# KiCad board protoboard-6x4-breakout.kicad_pcb (continued)
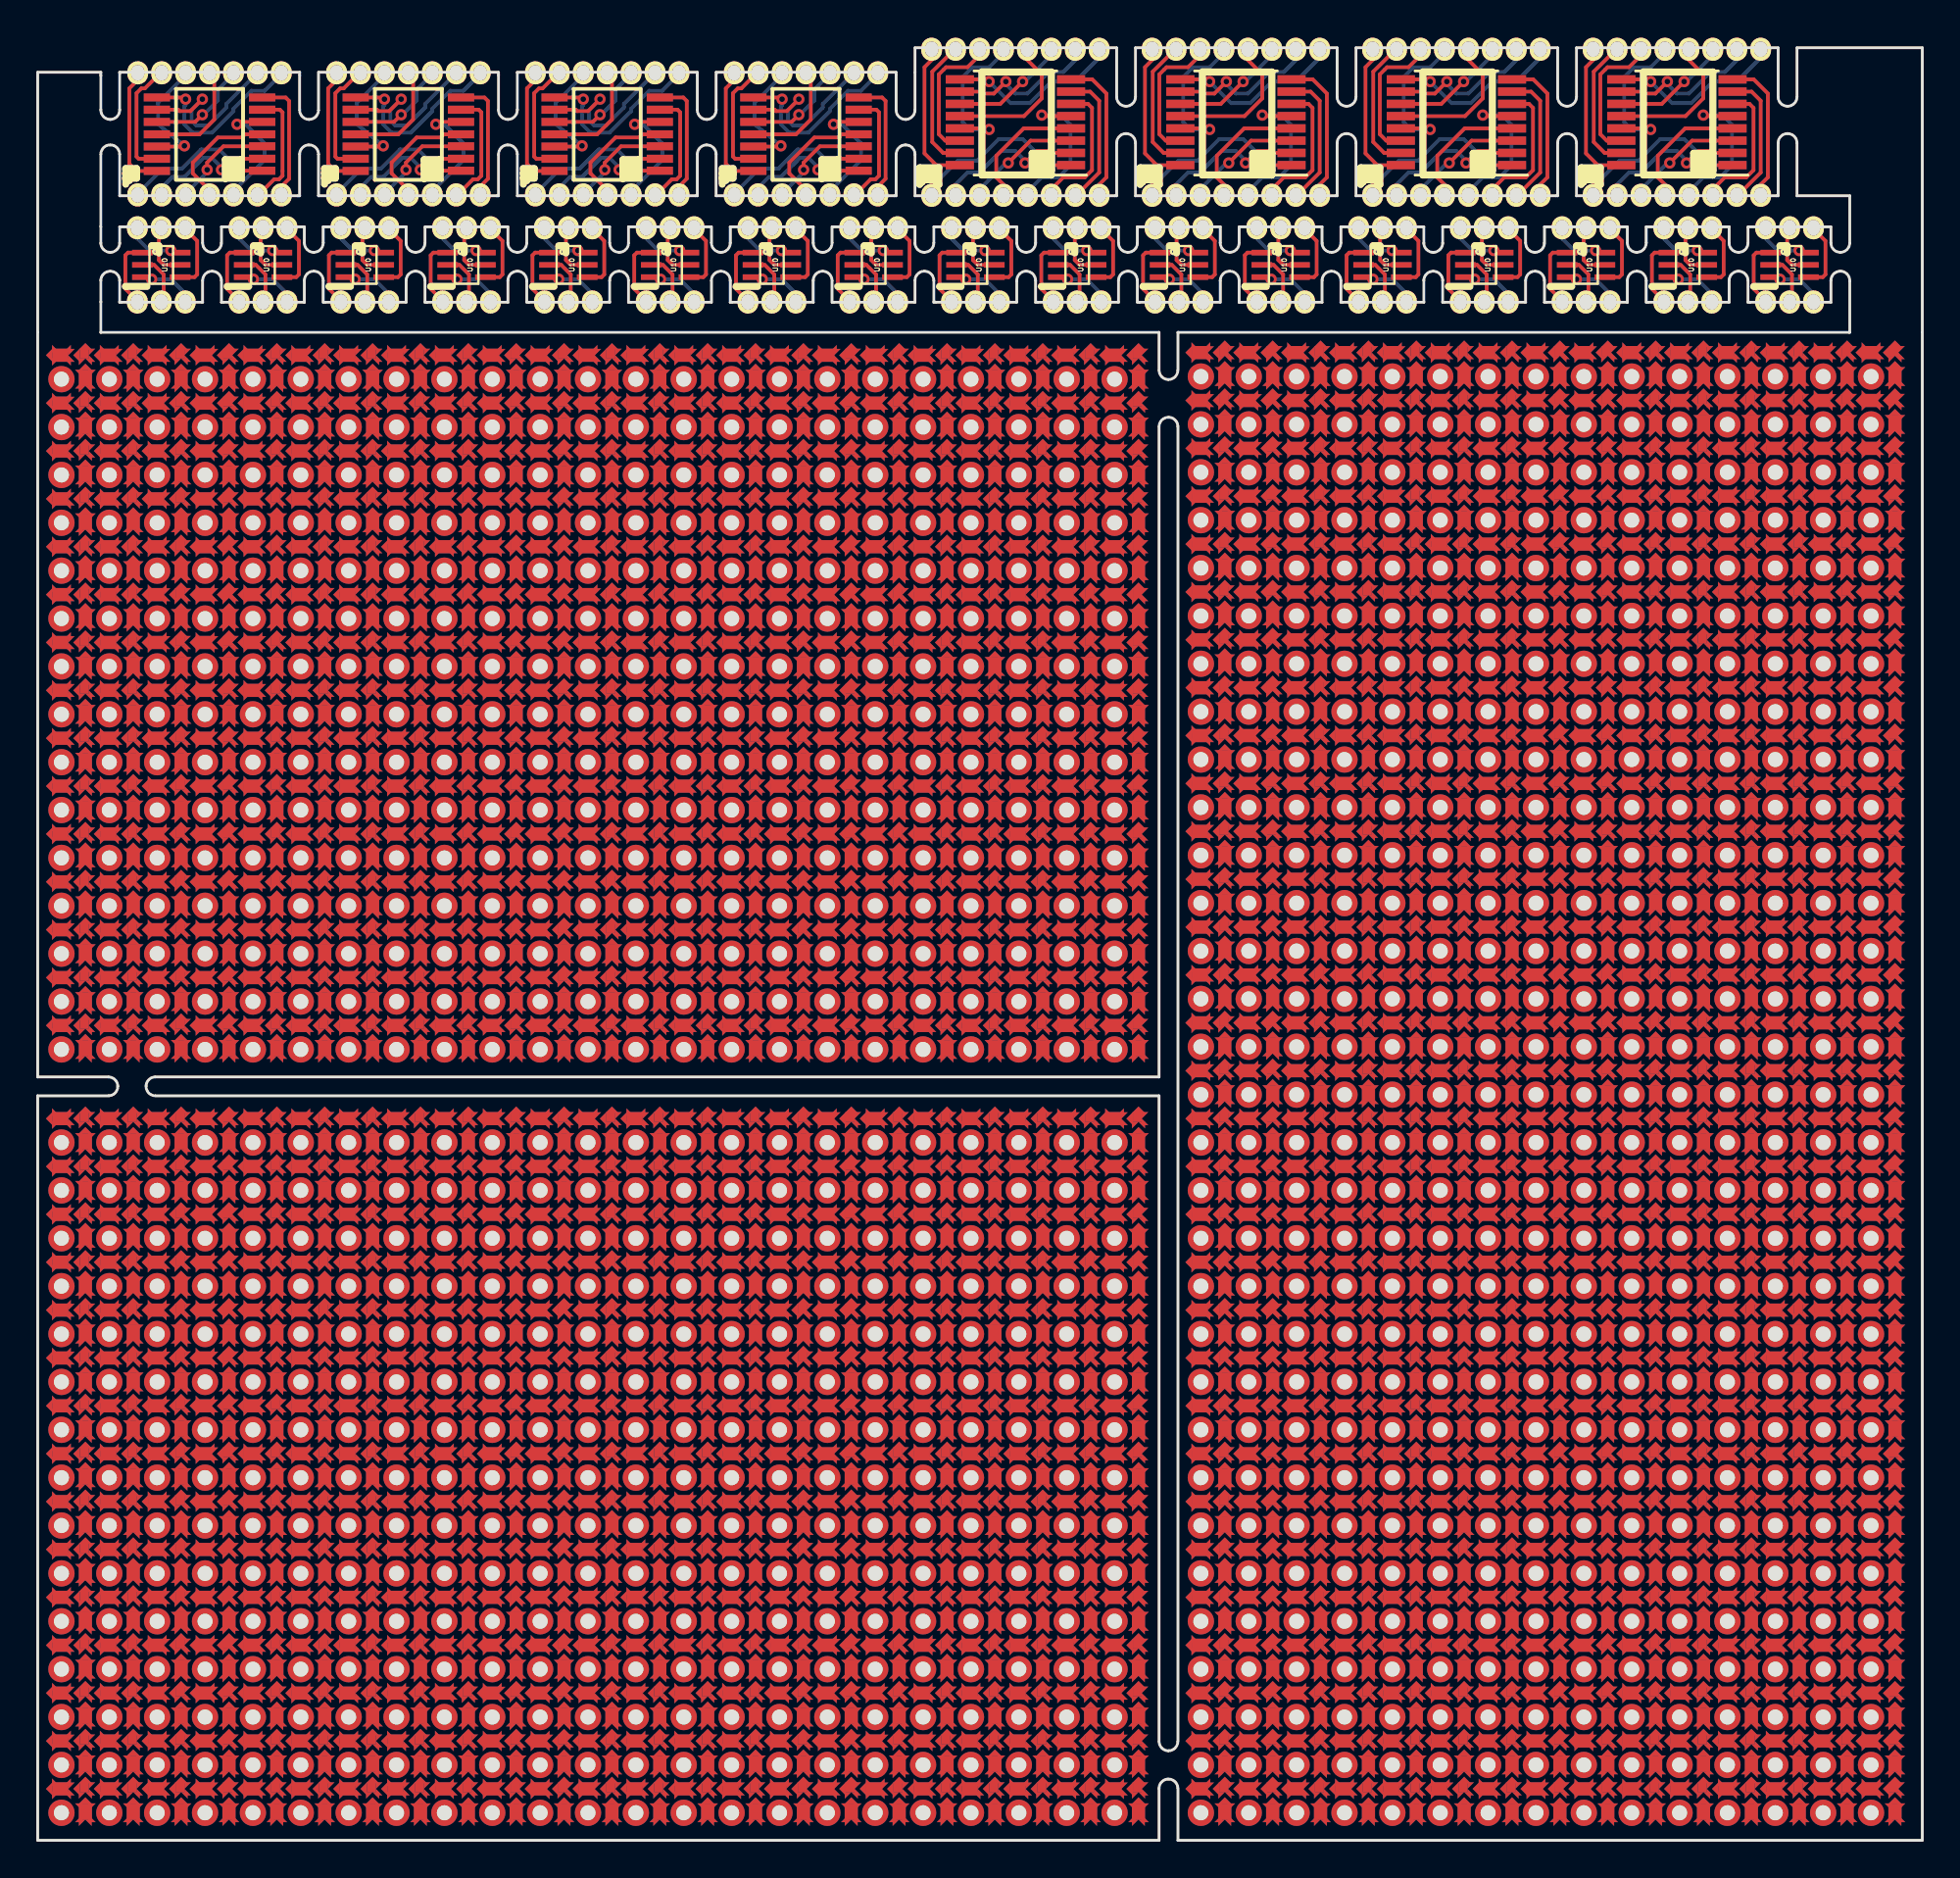
[diagram p0: board, top side]
## Placement (name value [footprint] x y rotation side) (continued)
REF**#1627  pad-between  [pad-between-spiked]  57.14 71.17 90 top
REF**#1628  pad-between  [pad-between-spiked]  54.6 71.17 90 top
REF**#1629  pad-between  [pad-between-spiked]  46.98 71.17 90 top
REF**#1630  pad-between  [pad-between-spiked]  49.52 71.17 90 top
REF**#1631  center-pad  [center-pad-spikes]  48.25 71.17 0 top
REF**#1632  center-pad  [center-pad-spikes]  50.79 71.17 0 top
REF**#1633  pad-between  [pad-between-spiked]  52.06 71.17 90 top
REF**#1634  center-pad  [center-pad-spikes]  53.33 71.17 0 top
REF**#1635  center-pad  [center-pad-spikes]  53.33 68.63 0 top
REF**#1636  pad-between  [pad-between-spiked]  53.33 67.36 0 top
REF**#1637  pad-between  [pad-between-spiked]  53.33 69.9 0 top
REF**#1638  pad-between  [pad-between-spiked]  52.06 68.63 90 top
REF**#1639  pad-between  [pad-between-spiked]  50.79 69.9 0 top
REF**#1640  pad-between  [pad-between-spiked]  50.79 67.36 0 top
REF**#1641  center-pad  [center-pad-spikes]  50.79 68.63 0 top
REF**#1642  center-pad  [center-pad-spikes]  48.25 68.63 0 top
REF**#1643  pad-between  [pad-between-spiked]  48.25 67.36 0 top
REF**#1644  pad-between  [pad-between-spiked]  48.25 69.9 0 top
REF**#1645  pad-between  [pad-between-spiked]  49.52 68.63 90 top
REF**#1646  pad-between  [pad-between-spiked]  46.98 68.63 90 top
REF**#1647  -  [tht-0.8]  52.06 69.9 0 top
REF**#1648  -  [tht-0.8]  49.52 69.9 0 top
REF**#1649  -  [tht-0.8]  46.98 69.9 0 top
REF**#1650  -  [tht-0.8]  46.98 67.36 0 top
REF**#1651  -  [tht-0.8]  49.52 67.36 0 top
REF**#1652  -  [tht-0.8]  52.06 67.36 0 top
REF**#1653  -  [tht-0.8]  21.58 67.36 0 top
REF**#1654  -  [tht-0.8]  19.04 67.36 0 top
REF**#1655  -  [tht-0.8]  16.5 67.36 0 top
REF**#1656  -  [tht-0.8]  16.5 69.9 0 top
REF**#1657  -  [tht-0.8]  19.04 69.9 0 top
REF**#1658  -  [tht-0.8]  21.58 69.9 0 top
REF**#1659  pad-between  [pad-between-spiked]  16.5 68.63 90 top
REF**#1660  pad-between  [pad-between-spiked]  19.04 68.63 90 top
REF**#1661  pad-between  [pad-between-spiked]  17.77 69.9 0 top
REF**#1662  pad-between  [pad-between-spiked]  17.77 67.36 0 top
REF**#1663  center-pad  [center-pad-spikes]  17.77 68.63 0 top
REF**#1664  center-pad  [center-pad-spikes]  20.31 68.63 0 top
REF**#1665  pad-between  [pad-between-spiked]  20.31 67.36 0 top
REF**#1666  pad-between  [pad-between-spiked]  20.31 69.9 0 top
REF**#1667  pad-between  [pad-between-spiked]  21.58 68.63 90 top
REF**#1668  pad-between  [pad-between-spiked]  22.85 69.9 0 top
REF**#1669  pad-between  [pad-between-spiked]  22.85 67.36 0 top
REF**#1670  center-pad  [center-pad-spikes]  22.85 68.63 0 top
REF**#1671  center-pad  [center-pad-spikes]  22.85 71.17 0 top
REF**#1672  pad-between  [pad-between-spiked]  21.58 71.17 90 top
REF**#1673  center-pad  [center-pad-spikes]  20.31 71.17 0 top
REF**#1674  center-pad  [center-pad-spikes]  17.77 71.17 0 top
REF**#1675  pad-between  [pad-between-spiked]  19.04 71.17 90 top
REF**#1676  pad-between  [pad-between-spiked]  16.5 71.17 90 top
REF**#1677  pad-between  [pad-between-spiked]  24.12 71.17 90 top
REF**#1678  pad-between  [pad-between-spiked]  26.66 71.17 90 top
REF**#1679  center-pad  [center-pad-spikes]  25.39 71.17 0 top
REF**#1680  center-pad  [center-pad-spikes]  27.93 71.17 0 top
REF**#1681  pad-between  [pad-between-spiked]  29.2 71.17 90 top
REF**#1682  center-pad  [center-pad-spikes]  30.47 71.17 0 top
REF**#1683  center-pad  [center-pad-spikes]  30.47 68.63 0 top
REF**#1684  pad-between  [pad-between-spiked]  30.47 67.36 0 top
REF**#1685  pad-between  [pad-between-spiked]  30.47 69.9 0 top
REF**#1686  pad-between  [pad-between-spiked]  29.2 68.63 90 top
REF**#1687  pad-between  [pad-between-spiked]  27.93 69.9 0 top
REF**#1688  pad-between  [pad-between-spiked]  27.93 67.36 0 top
REF**#1689  center-pad  [center-pad-spikes]  27.93 68.63 0 top
REF**#1690  center-pad  [center-pad-spikes]  25.39 68.63 0 top
REF**#1691  pad-between  [pad-between-spiked]  25.39 67.36 0 top
REF**#1692  pad-between  [pad-between-spiked]  25.39 69.9 0 top
REF**#1693  pad-between  [pad-between-spiked]  26.66 68.63 90 top
REF**#1694  pad-between  [pad-between-spiked]  24.12 68.63 90 top
REF**#1695  -  [tht-0.8]  29.2 69.9 0 top
REF**#1696  -  [tht-0.8]  26.66 69.9 0 top
REF**#1697  -  [tht-0.8]  24.12 69.9 0 top
REF**#1698  -  [tht-0.8]  24.12 67.36 0 top
REF**#1699  -  [tht-0.8]  26.66 67.36 0 top
REF**#1700  -  [tht-0.8]  29.2 67.36 0 top
REF**#1701  -  [tht-0.8]  13.96 67.36 0 top
REF**#1702  -  [tht-0.8]  11.42 67.36 0 top
REF**#1703  -  [tht-0.8]  8.88 67.36 0 top
REF**#1704  -  [tht-0.8]  8.88 69.9 0 top
REF**#1705  -  [tht-0.8]  11.42 69.9 0 top
REF**#1706  -  [tht-0.8]  13.96 69.9 0 top
REF**#1707  pad-between  [pad-between-spiked]  8.88 68.63 90 top
REF**#1708  pad-between  [pad-between-spiked]  11.42 68.63 90 top
REF**#1709  pad-between  [pad-between-spiked]  10.15 69.9 0 top
REF**#1710  pad-between  [pad-between-spiked]  10.15 67.36 0 top
REF**#1711  center-pad  [center-pad-spikes]  10.15 68.63 0 top
REF**#1712  center-pad  [center-pad-spikes]  12.69 68.63 0 top
REF**#1713  pad-between  [pad-between-spiked]  12.69 67.36 0 top
REF**#1714  pad-between  [pad-between-spiked]  12.69 69.9 0 top
REF**#1715  pad-between  [pad-between-spiked]  13.96 68.63 90 top
REF**#1716  pad-between  [pad-between-spiked]  15.23 69.9 0 top
REF**#1717  pad-between  [pad-between-spiked]  15.23 67.36 0 top
REF**#1718  center-pad  [center-pad-spikes]  15.23 68.63 0 top
REF**#1719  center-pad  [center-pad-spikes]  15.23 71.17 0 top
REF**#1720  pad-between  [pad-between-spiked]  13.96 71.17 90 top
REF**#1721  center-pad  [center-pad-spikes]  12.69 71.17 0 top
REF**#1722  center-pad  [center-pad-spikes]  10.15 71.17 0 top
REF**#1723  pad-between  [pad-between-spiked]  11.42 71.17 90 top
REF**#1724  pad-between  [pad-between-spiked]  8.88 71.17 90 top
REF**#1725  pad-between  [pad-between-spiked]  1.26 71.17 90 top
REF**#1726  pad-between  [pad-between-spiked]  3.8 71.17 90 top
REF**#1727  center-pad  [center-pad-spikes]  2.53 71.17 0 top
REF**#1728  center-pad  [center-pad-spikes]  5.07 71.17 0 top
REF**#1729  pad-between  [pad-between-spiked]  6.34 71.17 90 top
REF**#1730  center-pad  [center-pad-spikes]  7.61 71.17 0 top
REF**#1731  center-pad  [center-pad-spikes]  7.61 68.63 0 top
REF**#1732  pad-between  [pad-between-spiked]  7.61 67.36 0 top
REF**#1733  pad-between  [pad-between-spiked]  7.61 69.9 0 top
REF**#1734  pad-between  [pad-between-spiked]  6.34 68.63 90 top
REF**#1735  pad-between  [pad-between-spiked]  5.07 69.9 0 top
REF**#1736  pad-between  [pad-between-spiked]  5.07 67.36 0 top
REF**#1737  center-pad  [center-pad-spikes]  5.07 68.63 0 top
REF**#1738  center-pad  [center-pad-spikes]  2.53 68.63 0 top
REF**#1739  pad-between  [pad-between-spiked]  2.53 67.36 0 top
REF**#1740  pad-between  [pad-between-spiked]  2.53 69.9 0 top
REF**#1741  pad-between  [pad-between-spiked]  3.8 68.63 90 top
REF**#1742  pad-between  [pad-between-spiked]  1.26 68.63 90 top
REF**#1743  -  [tht-0.8]  6.34 69.9 0 top
REF**#1744  -  [tht-0.8]  3.8 69.9 0 top
REF**#1745  -  [tht-0.8]  1.26 69.9 0 top
REF**#1746  -  [tht-0.8]  1.26 67.36 0 top
REF**#1747  -  [tht-0.8]  3.8 67.36 0 top
REF**#1748  -  [tht-0.8]  6.34 67.36 0 top
REF**#1749  -  [tht-0.8]  6.34 77.52 0 top
REF**#1750  -  [tht-0.8]  3.8 77.52 0 top
REF**#1751  -  [tht-0.8]  1.26 77.52 0 top
REF**#1752  pad-between  [pad-between-spiked]  1.26 78.79 90 top
REF**#1753  pad-between  [pad-between-spiked]  3.8 78.79 90 top
REF**#1754  pad-between  [pad-between-spiked]  2.53 77.52 0 top
REF**#1755  center-pad  [center-pad-spikes]  2.53 78.79 0 top
REF**#1756  center-pad  [center-pad-spikes]  5.07 78.79 0 top
REF**#1757  pad-between  [pad-between-spiked]  5.07 77.52 0 top
REF**#1758  pad-between  [pad-between-spiked]  6.34 78.79 90 top
REF**#1759  pad-between  [pad-between-spiked]  7.61 77.52 0 top
REF**#1760  center-pad  [center-pad-spikes]  7.61 78.79 0 top
REF**#1761  center-pad  [center-pad-spikes]  15.23 78.79 0 top
REF**#1762  pad-between  [pad-between-spiked]  15.23 77.52 0 top
REF**#1763  pad-between  [pad-between-spiked]  13.96 78.79 90 top
REF**#1764  pad-between  [pad-between-spiked]  12.69 77.52 0 top
REF**#1765  center-pad  [center-pad-spikes]  12.69 78.79 0 top
REF**#1766  center-pad  [center-pad-spikes]  10.15 78.79 0 top
REF**#1767  pad-between  [pad-between-spiked]  10.15 77.52 0 top
REF**#1768  pad-between  [pad-between-spiked]  11.42 78.79 90 top
REF**#1769  pad-between  [pad-between-spiked]  8.88 78.79 90 top
REF**#1770  -  [tht-0.8]  8.88 77.52 0 top
REF**#1771  -  [tht-0.8]  11.42 77.52 0 top
REF**#1772  -  [tht-0.8]  13.96 77.52 0 top
REF**#1773  -  [tht-0.8]  29.2 77.52 0 top
REF**#1774  -  [tht-0.8]  26.66 77.52 0 top
REF**#1775  -  [tht-0.8]  24.12 77.52 0 top
REF**#1776  pad-between  [pad-between-spiked]  24.12 78.79 90 top
REF**#1777  pad-between  [pad-between-spiked]  26.66 78.79 90 top
REF**#1778  pad-between  [pad-between-spiked]  25.39 77.52 0 top
REF**#1779  center-pad  [center-pad-spikes]  25.39 78.79 0 top
REF**#1780  center-pad  [center-pad-spikes]  27.93 78.79 0 top
REF**#1781  pad-between  [pad-between-spiked]  27.93 77.52 0 top
REF**#1782  pad-between  [pad-between-spiked]  29.2 78.79 90 top
REF**#1783  pad-between  [pad-between-spiked]  30.47 77.52 0 top
REF**#1784  center-pad  [center-pad-spikes]  30.47 78.79 0 top
REF**#1785  center-pad  [center-pad-spikes]  22.85 78.79 0 top
REF**#1786  pad-between  [pad-between-spiked]  22.85 77.52 0 top
REF**#1787  pad-between  [pad-between-spiked]  21.58 78.79 90 top
REF**#1788  pad-between  [pad-between-spiked]  20.31 77.52 0 top
REF**#1789  center-pad  [center-pad-spikes]  20.31 78.79 0 top
REF**#1790  center-pad  [center-pad-spikes]  17.77 78.79 0 top
REF**#1791  pad-between  [pad-between-spiked]  17.77 77.52 0 top
REF**#1792  pad-between  [pad-between-spiked]  19.04 78.79 90 top
REF**#1793  pad-between  [pad-between-spiked]  16.5 78.79 90 top
REF**#1794  -  [tht-0.8]  16.5 77.52 0 top
REF**#1795  -  [tht-0.8]  19.04 77.52 0 top
REF**#1796  -  [tht-0.8]  21.58 77.52 0 top
REF**#1797  -  [tht-0.8]  52.06 77.52 0 top
REF**#1798  -  [tht-0.8]  49.52 77.52 0 top
REF**#1799  -  [tht-0.8]  46.98 77.52 0 top
REF**#1800  pad-between  [pad-between-spiked]  46.98 78.79 90 top
REF**#1801  pad-between  [pad-between-spiked]  49.52 78.79 90 top
REF**#1802  pad-between  [pad-between-spiked]  48.25 77.52 0 top
REF**#1803  center-pad  [center-pad-spikes]  48.25 78.79 0 top
REF**#1804  center-pad  [center-pad-spikes]  50.79 78.79 0 top
REF**#1805  pad-between  [pad-between-spiked]  50.79 77.52 0 top
REF**#1806  pad-between  [pad-between-spiked]  52.06 78.79 90 top
REF**#1807  pad-between  [pad-between-spiked]  53.33 77.52 0 top
REF**#1808  center-pad  [center-pad-spikes]  53.33 78.79 0 top
REF**#1809  pad-between  [pad-between-spiked]  58.41 77.52 0 top
REF**#1810  center-pad  [center-pad-spikes]  58.41 78.79 0 top
REF**#1811  center-pad  [center-pad-spikes]  55.87 78.79 0 top
REF**#1812  pad-between  [pad-between-spiked]  55.87 77.52 0 top
REF**#1813  pad-between  [pad-between-spiked]  57.14 78.79 90 top
REF**#1814  pad-between  [pad-between-spiked]  54.6 78.79 90 top
REF**#1815  -  [tht-0.8]  54.6 77.52 0 top
REF**#1816  -  [tht-0.8]  57.14 77.52 0 top
REF**#1817  -  [tht-0.8]  44.44 77.52 0 top
REF**#1818  -  [tht-0.8]  41.9 77.52 0 top
REF**#1819  -  [tht-0.8]  39.36 77.52 0 top
REF**#1820  pad-between  [pad-between-spiked]  39.36 78.79 90 top
REF**#1821  pad-between  [pad-between-spiked]  41.9 78.79 90 top
REF**#1822  pad-between  [pad-between-spiked]  40.63 77.52 0 top
REF**#1823  center-pad  [center-pad-spikes]  40.63 78.79 0 top
REF**#1824  center-pad  [center-pad-spikes]  43.17 78.79 0 top
REF**#1825  pad-between  [pad-between-spiked]  43.17 77.52 0 top
REF**#1826  pad-between  [pad-between-spiked]  44.44 78.79 90 top
REF**#1827  pad-between  [pad-between-spiked]  45.71 77.52 0 top
REF**#1828  center-pad  [center-pad-spikes]  45.71 78.79 0 top
REF**#1829  center-pad  [center-pad-spikes]  38.09 78.79 0 top
REF**#1830  pad-between  [pad-between-spiked]  38.09 77.52 0 top
REF**#1831  pad-between  [pad-between-spiked]  36.82 78.79 90 top
REF**#1832  pad-between  [pad-between-spiked]  35.55 77.52 0 top
REF**#1833  center-pad  [center-pad-spikes]  35.55 78.79 0 top
REF**#1834  center-pad  [center-pad-spikes]  33.01 78.79 0 top
REF**#1835  pad-between  [pad-between-spiked]  33.01 77.52 0 top
REF**#1836  pad-between  [pad-between-spiked]  34.28 78.79 90 top
REF**#1837  pad-between  [pad-between-spiked]  31.74 78.79 90 top
REF**#1838  -  [tht-0.8]  31.74 77.52 0 top
REF**#1839  -  [tht-0.8]  34.28 77.52 0 top
REF**#1840  -  [tht-0.8]  36.82 77.52 0 top
REF**#1841  -  [tht-0.8]  36.82 72.44 0 top
REF**#1842  -  [tht-0.8]  34.28 72.44 0 top
REF**#1843  -  [tht-0.8]  31.74 72.44 0 top
REF**#1844  -  [tht-0.8]  31.74 74.98 0 top
REF**#1845  -  [tht-0.8]  34.28 74.98 0 top
REF**#1846  -  [tht-0.8]  36.82 74.98 0 top
REF**#1847  pad-between  [pad-between-spiked]  31.74 73.71 90 top
REF**#1848  pad-between  [pad-between-spiked]  34.28 73.71 90 top
REF**#1849  pad-between  [pad-between-spiked]  33.01 74.98 0 top
REF**#1850  pad-between  [pad-between-spiked]  33.01 72.44 0 top
REF**#1851  center-pad  [center-pad-spikes]  33.01 73.71 0 top
REF**#1852  center-pad  [center-pad-spikes]  35.55 73.71 0 top
REF**#1853  pad-between  [pad-between-spiked]  35.55 72.44 0 top
REF**#1854  pad-between  [pad-between-spiked]  35.55 74.98 0 top
REF**#1855  pad-between  [pad-between-spiked]  36.82 73.71 90 top
REF**#1856  pad-between  [pad-between-spiked]  38.09 74.98 0 top
REF**#1857  pad-between  [pad-between-spiked]  38.09 72.44 0 top
REF**#1858  center-pad  [center-pad-spikes]  38.09 73.71 0 top
REF**#1859  center-pad  [center-pad-spikes]  38.09 76.25 0 top
REF**#1860  pad-between  [pad-between-spiked]  36.82 76.25 90 top
REF**#1861  center-pad  [center-pad-spikes]  35.55 76.25 0 top
REF**#1862  center-pad  [center-pad-spikes]  33.01 76.25 0 top
REF**#1863  pad-between  [pad-between-spiked]  34.28 76.25 90 top
REF**#1864  pad-between  [pad-between-spiked]  31.74 76.25 90 top
REF**#1865  pad-between  [pad-between-spiked]  39.36 76.25 90 top
REF**#1866  pad-between  [pad-between-spiked]  41.9 76.25 90 top
REF**#1867  center-pad  [center-pad-spikes]  40.63 76.25 0 top
REF**#1868  center-pad  [center-pad-spikes]  43.17 76.25 0 top
REF**#1869  pad-between  [pad-between-spiked]  44.44 76.25 90 top
REF**#1870  center-pad  [center-pad-spikes]  45.71 76.25 0 top
REF**#1871  center-pad  [center-pad-spikes]  45.71 73.71 0 top
REF**#1872  pad-between  [pad-between-spiked]  45.71 72.44 0 top
REF**#1873  pad-between  [pad-between-spiked]  45.71 74.98 0 top
REF**#1874  pad-between  [pad-between-spiked]  44.44 73.71 90 top
REF**#1875  pad-between  [pad-between-spiked]  43.17 74.98 0 top
REF**#1876  pad-between  [pad-between-spiked]  43.17 72.44 0 top
REF**#1877  center-pad  [center-pad-spikes]  43.17 73.71 0 top
REF**#1878  center-pad  [center-pad-spikes]  40.63 73.71 0 top
REF**#1879  pad-between  [pad-between-spiked]  40.63 72.44 0 top
REF**#1880  pad-between  [pad-between-spiked]  40.63 74.98 0 top
REF**#1881  pad-between  [pad-between-spiked]  41.9 73.71 90 top
REF**#1882  pad-between  [pad-between-spiked]  39.36 73.71 90 top
REF**#1883  -  [tht-0.8]  44.44 74.98 0 top
REF**#1884  -  [tht-0.8]  41.9 74.98 0 top
REF**#1885  -  [tht-0.8]  39.36 74.98 0 top
REF**#1886  -  [tht-0.8]  39.36 72.44 0 top
REF**#1887  -  [tht-0.8]  41.9 72.44 0 top
REF**#1888  -  [tht-0.8]  44.44 72.44 0 top
REF**#1889  -  [tht-0.8]  57.14 72.44 0 top
REF**#1890  -  [tht-0.8]  54.6 72.44 0 top
REF**#1891  -  [tht-0.8]  54.6 74.98 0 top
REF**#1892  -  [tht-0.8]  57.14 74.98 0 top
REF**#1893  pad-between  [pad-between-spiked]  54.6 73.71 90 top
REF**#1894  pad-between  [pad-between-spiked]  57.14 73.71 90 top
REF**#1895  pad-between  [pad-between-spiked]  55.87 74.98 0 top
REF**#1896  pad-between  [pad-between-spiked]  55.87 72.44 0 top
REF**#1897  center-pad  [center-pad-spikes]  55.87 73.71 0 top
REF**#1898  center-pad  [center-pad-spikes]  58.41 73.71 0 top
REF**#1899  pad-between  [pad-between-spiked]  58.41 72.44 0 top
REF**#1900  pad-between  [pad-between-spiked]  58.41 74.98 0 top
REF**#1901  center-pad  [center-pad-spikes]  58.41 76.25 0 top
REF**#1902  center-pad  [center-pad-spikes]  55.87 76.25 0 top
REF**#1903  pad-between  [pad-between-spiked]  57.14 76.25 90 top
REF**#1904  pad-between  [pad-between-spiked]  54.6 76.25 90 top
REF**#1905  pad-between  [pad-between-spiked]  46.98 76.25 90 top
REF**#1906  pad-between  [pad-between-spiked]  49.52 76.25 90 top
REF**#1907  center-pad  [center-pad-spikes]  48.25 76.25 0 top
REF**#1908  center-pad  [center-pad-spikes]  50.79 76.25 0 top
REF**#1909  pad-between  [pad-between-spiked]  52.06 76.25 90 top
REF**#1910  center-pad  [center-pad-spikes]  53.33 76.25 0 top
REF**#1911  center-pad  [center-pad-spikes]  53.33 73.71 0 top
REF**#1912  pad-between  [pad-between-spiked]  53.33 72.44 0 top
REF**#1913  pad-between  [pad-between-spiked]  53.33 74.98 0 top
REF**#1914  pad-between  [pad-between-spiked]  52.06 73.71 90 top
REF**#1915  pad-between  [pad-between-spiked]  50.79 74.98 0 top
REF**#1916  pad-between  [pad-between-spiked]  50.79 72.44 0 top
REF**#1917  center-pad  [center-pad-spikes]  50.79 73.71 0 top
REF**#1918  center-pad  [center-pad-spikes]  48.25 73.71 0 top
REF**#1919  pad-between  [pad-between-spiked]  48.25 72.44 0 top
REF**#1920  pad-between  [pad-between-spiked]  48.25 74.98 0 top
REF**#1921  pad-between  [pad-between-spiked]  49.52 73.71 90 top
REF**#1922  pad-between  [pad-between-spiked]  46.98 73.71 90 top
REF**#1923  -  [tht-0.8]  52.06 74.98 0 top
REF**#1924  -  [tht-0.8]  49.52 74.98 0 top
REF**#1925  -  [tht-0.8]  46.98 74.98 0 top
REF**#1926  -  [tht-0.8]  46.98 72.44 0 top
REF**#1927  -  [tht-0.8]  49.52 72.44 0 top
REF**#1928  -  [tht-0.8]  52.06 72.44 0 top
REF**#1929  -  [tht-0.8]  21.58 72.44 0 top
REF**#1930  -  [tht-0.8]  19.04 72.44 0 top
REF**#1931  -  [tht-0.8]  16.5 72.44 0 top
REF**#1932  -  [tht-0.8]  16.5 74.98 0 top
REF**#1933  -  [tht-0.8]  19.04 74.98 0 top
REF**#1934  -  [tht-0.8]  21.58 74.98 0 top
REF**#1935  pad-between  [pad-between-spiked]  16.5 73.71 90 top
REF**#1936  pad-between  [pad-between-spiked]  19.04 73.71 90 top
REF**#1937  pad-between  [pad-between-spiked]  17.77 74.98 0 top
REF**#1938  pad-between  [pad-between-spiked]  17.77 72.44 0 top
REF**#1939  center-pad  [center-pad-spikes]  17.77 73.71 0 top
REF**#1940  center-pad  [center-pad-spikes]  20.31 73.71 0 top
REF**#1941  pad-between  [pad-between-spiked]  20.31 72.44 0 top
REF**#1942  pad-between  [pad-between-spiked]  20.31 74.98 0 top
REF**#1943  pad-between  [pad-between-spiked]  21.58 73.71 90 top
REF**#1944  pad-between  [pad-between-spiked]  22.85 74.98 0 top
REF**#1945  pad-between  [pad-between-spiked]  22.85 72.44 0 top
REF**#1946  center-pad  [center-pad-spikes]  22.85 73.71 0 top
REF**#1947  center-pad  [center-pad-spikes]  22.85 76.25 0 top
REF**#1948  pad-between  [pad-between-spiked]  21.58 76.25 90 top
REF**#1949  center-pad  [center-pad-spikes]  20.31 76.25 0 top
REF**#1950  center-pad  [center-pad-spikes]  17.77 76.25 0 top
REF**#1951  pad-between  [pad-between-spiked]  19.04 76.25 90 top
REF**#1952  pad-between  [pad-between-spiked]  16.5 76.25 90 top
REF**#1953  pad-between  [pad-between-spiked]  24.12 76.25 90 top
REF**#1954  pad-between  [pad-between-spiked]  26.66 76.25 90 top
REF**#1955  center-pad  [center-pad-spikes]  25.39 76.25 0 top
REF**#1956  center-pad  [center-pad-spikes]  27.93 76.25 0 top
REF**#1957  pad-between  [pad-between-spiked]  29.2 76.25 90 top
REF**#1958  center-pad  [center-pad-spikes]  30.47 76.25 0 top
REF**#1959  center-pad  [center-pad-spikes]  30.47 73.71 0 top
REF**#1960  pad-between  [pad-between-spiked]  30.47 72.44 0 top
REF**#1961  pad-between  [pad-between-spiked]  30.47 74.98 0 top
REF**#1962  pad-between  [pad-between-spiked]  29.2 73.71 90 top
REF**#1963  pad-between  [pad-between-spiked]  27.93 74.98 0 top
REF**#1964  pad-between  [pad-between-spiked]  27.93 72.44 0 top
REF**#1965  center-pad  [center-pad-spikes]  27.93 73.71 0 top
REF**#1966  center-pad  [center-pad-spikes]  25.39 73.71 0 top
REF**#1967  pad-between  [pad-between-spiked]  25.39 72.44 0 top
REF**#1968  pad-between  [pad-between-spiked]  25.39 74.98 0 top
REF**#1969  pad-between  [pad-between-spiked]  26.66 73.71 90 top
REF**#1970  pad-between  [pad-between-spiked]  24.12 73.71 90 top
REF**#1971  -  [tht-0.8]  29.2 74.98 0 top
REF**#1972  -  [tht-0.8]  26.66 74.98 0 top
REF**#1973  -  [tht-0.8]  24.12 74.98 0 top
REF**#1974  -  [tht-0.8]  24.12 72.44 0 top
REF**#1975  -  [tht-0.8]  26.66 72.44 0 top
REF**#1976  -  [tht-0.8]  29.2 72.44 0 top
REF**#1977  -  [tht-0.8]  13.96 72.44 0 top
REF**#1978  -  [tht-0.8]  11.42 72.44 0 top
REF**#1979  -  [tht-0.8]  8.88 72.44 0 top
REF**#1980  -  [tht-0.8]  8.88 74.98 0 top
REF**#1981  -  [tht-0.8]  11.42 74.98 0 top
REF**#1982  -  [tht-0.8]  13.96 74.98 0 top
REF**#1983  pad-between  [pad-between-spiked]  8.88 73.71 90 top
REF**#1984  pad-between  [pad-between-spiked]  11.42 73.71 90 top
REF**#1985  pad-between  [pad-between-spiked]  10.15 74.98 0 top
REF**#1986  pad-between  [pad-between-spiked]  10.15 72.44 0 top
REF**#1987  center-pad  [center-pad-spikes]  10.15 73.71 0 top
REF**#1988  center-pad  [center-pad-spikes]  12.69 73.71 0 top
REF**#1989  pad-between  [pad-between-spiked]  12.69 72.44 0 top
REF**#1990  pad-between  [pad-between-spiked]  12.69 74.98 0 top
REF**#1991  pad-between  [pad-between-spiked]  13.96 73.71 90 top
REF**#1992  pad-between  [pad-between-spiked]  15.23 74.98 0 top
REF**#1993  pad-between  [pad-between-spiked]  15.23 72.44 0 top
REF**#1994  center-pad  [center-pad-spikes]  15.23 73.71 0 top
REF**#1995  center-pad  [center-pad-spikes]  15.23 76.25 0 top
REF**#1996  pad-between  [pad-between-spiked]  13.96 76.25 90 top
REF**#1997  center-pad  [center-pad-spikes]  12.69 76.25 0 top
REF**#1998  center-pad  [center-pad-spikes]  10.15 76.25 0 top
REF**#1999  pad-between  [pad-between-spiked]  11.42 76.25 90 top
REF**#2000  pad-between  [pad-between-spiked]  8.88 76.25 90 top
REF**#2001  pad-between  [pad-between-spiked]  1.26 76.25 90 top
REF**#2002  pad-between  [pad-between-spiked]  3.8 76.25 90 top
REF**#2003  center-pad  [center-pad-spikes]  2.53 76.25 0 top
REF**#2004  center-pad  [center-pad-spikes]  5.07 76.25 0 top
REF**#2005  pad-between  [pad-between-spiked]  6.34 76.25 90 top
REF**#2006  center-pad  [center-pad-spikes]  7.61 76.25 0 top
REF**#2007  center-pad  [center-pad-spikes]  7.61 73.71 0 top
REF**#2008  pad-between  [pad-between-spiked]  7.61 72.44 0 top
REF**#2009  pad-between  [pad-between-spiked]  7.61 74.98 0 top
REF**#2010  pad-between  [pad-between-spiked]  6.34 73.71 90 top
REF**#2011  pad-between  [pad-between-spiked]  5.07 74.98 0 top
REF**#2012  pad-between  [pad-between-spiked]  5.07 72.44 0 top
REF**#2013  center-pad  [center-pad-spikes]  5.07 73.71 0 top
REF**#2014  center-pad  [center-pad-spikes]  2.53 73.71 0 top
REF**#2015  pad-between  [pad-between-spiked]  2.53 72.44 0 top
REF**#2016  pad-between  [pad-between-spiked]  2.53 74.98 0 top
REF**#2017  pad-between  [pad-between-spiked]  3.8 73.71 90 top
REF**#2018  pad-between  [pad-between-spiked]  1.26 73.71 90 top
REF**#2019  -  [tht-0.8]  6.34 74.98 0 top
REF**#2020  -  [tht-0.8]  3.8 74.98 0 top
REF**#2021  -  [tht-0.8]  1.26 74.98 0 top
REF**#2022  -  [tht-0.8]  1.26 72.44 0 top
REF**#2023  -  [tht-0.8]  3.8 72.44 0 top
REF**#2024  -  [tht-0.8]  6.34 72.44 0 top
REF**#2025  -  [tht-0.8]  6.34 52.12 0 top
REF**#2026  -  [tht-0.8]  3.8 52.12 0 top
REF**#2027  -  [tht-0.8]  1.26 52.12 0 top
REF**#2028  -  [tht-0.8]  1.26 54.66 0 top
REF**#2029  -  [tht-0.8]  3.8 54.66 0 top
REF**#2030  -  [tht-0.8]  6.34 54.66 0 top
REF**#2031  pad-between  [pad-between-spiked]  1.26 53.39 90 top
REF**#2032  pad-between  [pad-between-spiked]  3.8 53.39 90 top
REF**#2033  pad-between  [pad-between-spiked]  2.53 54.66 0 top
REF**#2034  pad-between  [pad-between-spiked]  2.53 52.12 0 top
REF**#2035  center-pad  [center-pad-spikes]  2.53 53.39 0 top
REF**#2036  center-pad  [center-pad-spikes]  5.07 53.39 0 top
REF**#2037  pad-between  [pad-between-spiked]  5.07 52.12 0 top
REF**#2038  pad-between  [pad-between-spiked]  5.07 54.66 0 top
REF**#2039  pad-between  [pad-between-spiked]  6.34 53.39 90 top
REF**#2040  pad-between  [pad-between-spiked]  7.61 54.66 0 top
REF**#2041  pad-between  [pad-between-spiked]  7.61 52.12 0 top
REF**#2042  center-pad  [center-pad-spikes]  7.61 53.39 0 top
REF**#2043  center-pad  [center-pad-spikes]  7.61 55.93 0 top
REF**#2044  pad-between  [pad-between-spiked]  6.34 55.93 90 top
REF**#2045  center-pad  [center-pad-spikes]  5.07 55.93 0 top
REF**#2046  center-pad  [center-pad-spikes]  2.53 55.93 0 top
REF**#2047  pad-between  [pad-between-spiked]  3.8 55.93 90 top